# Altium PCB LimePSB-RPCM_1v4.PcbDoc (part 4 of 12)
Units mm, origin at the board's own origin, x right, y up, seen from the top; angles counter-clockwise.
Board outline 170 x 110 mm, 6 copper layers (Top, L2, L3, L4, L5, Bottom), stack 1.583 mm thick; 1007 components, 587 nets, 4215 pads, 1928 vias.
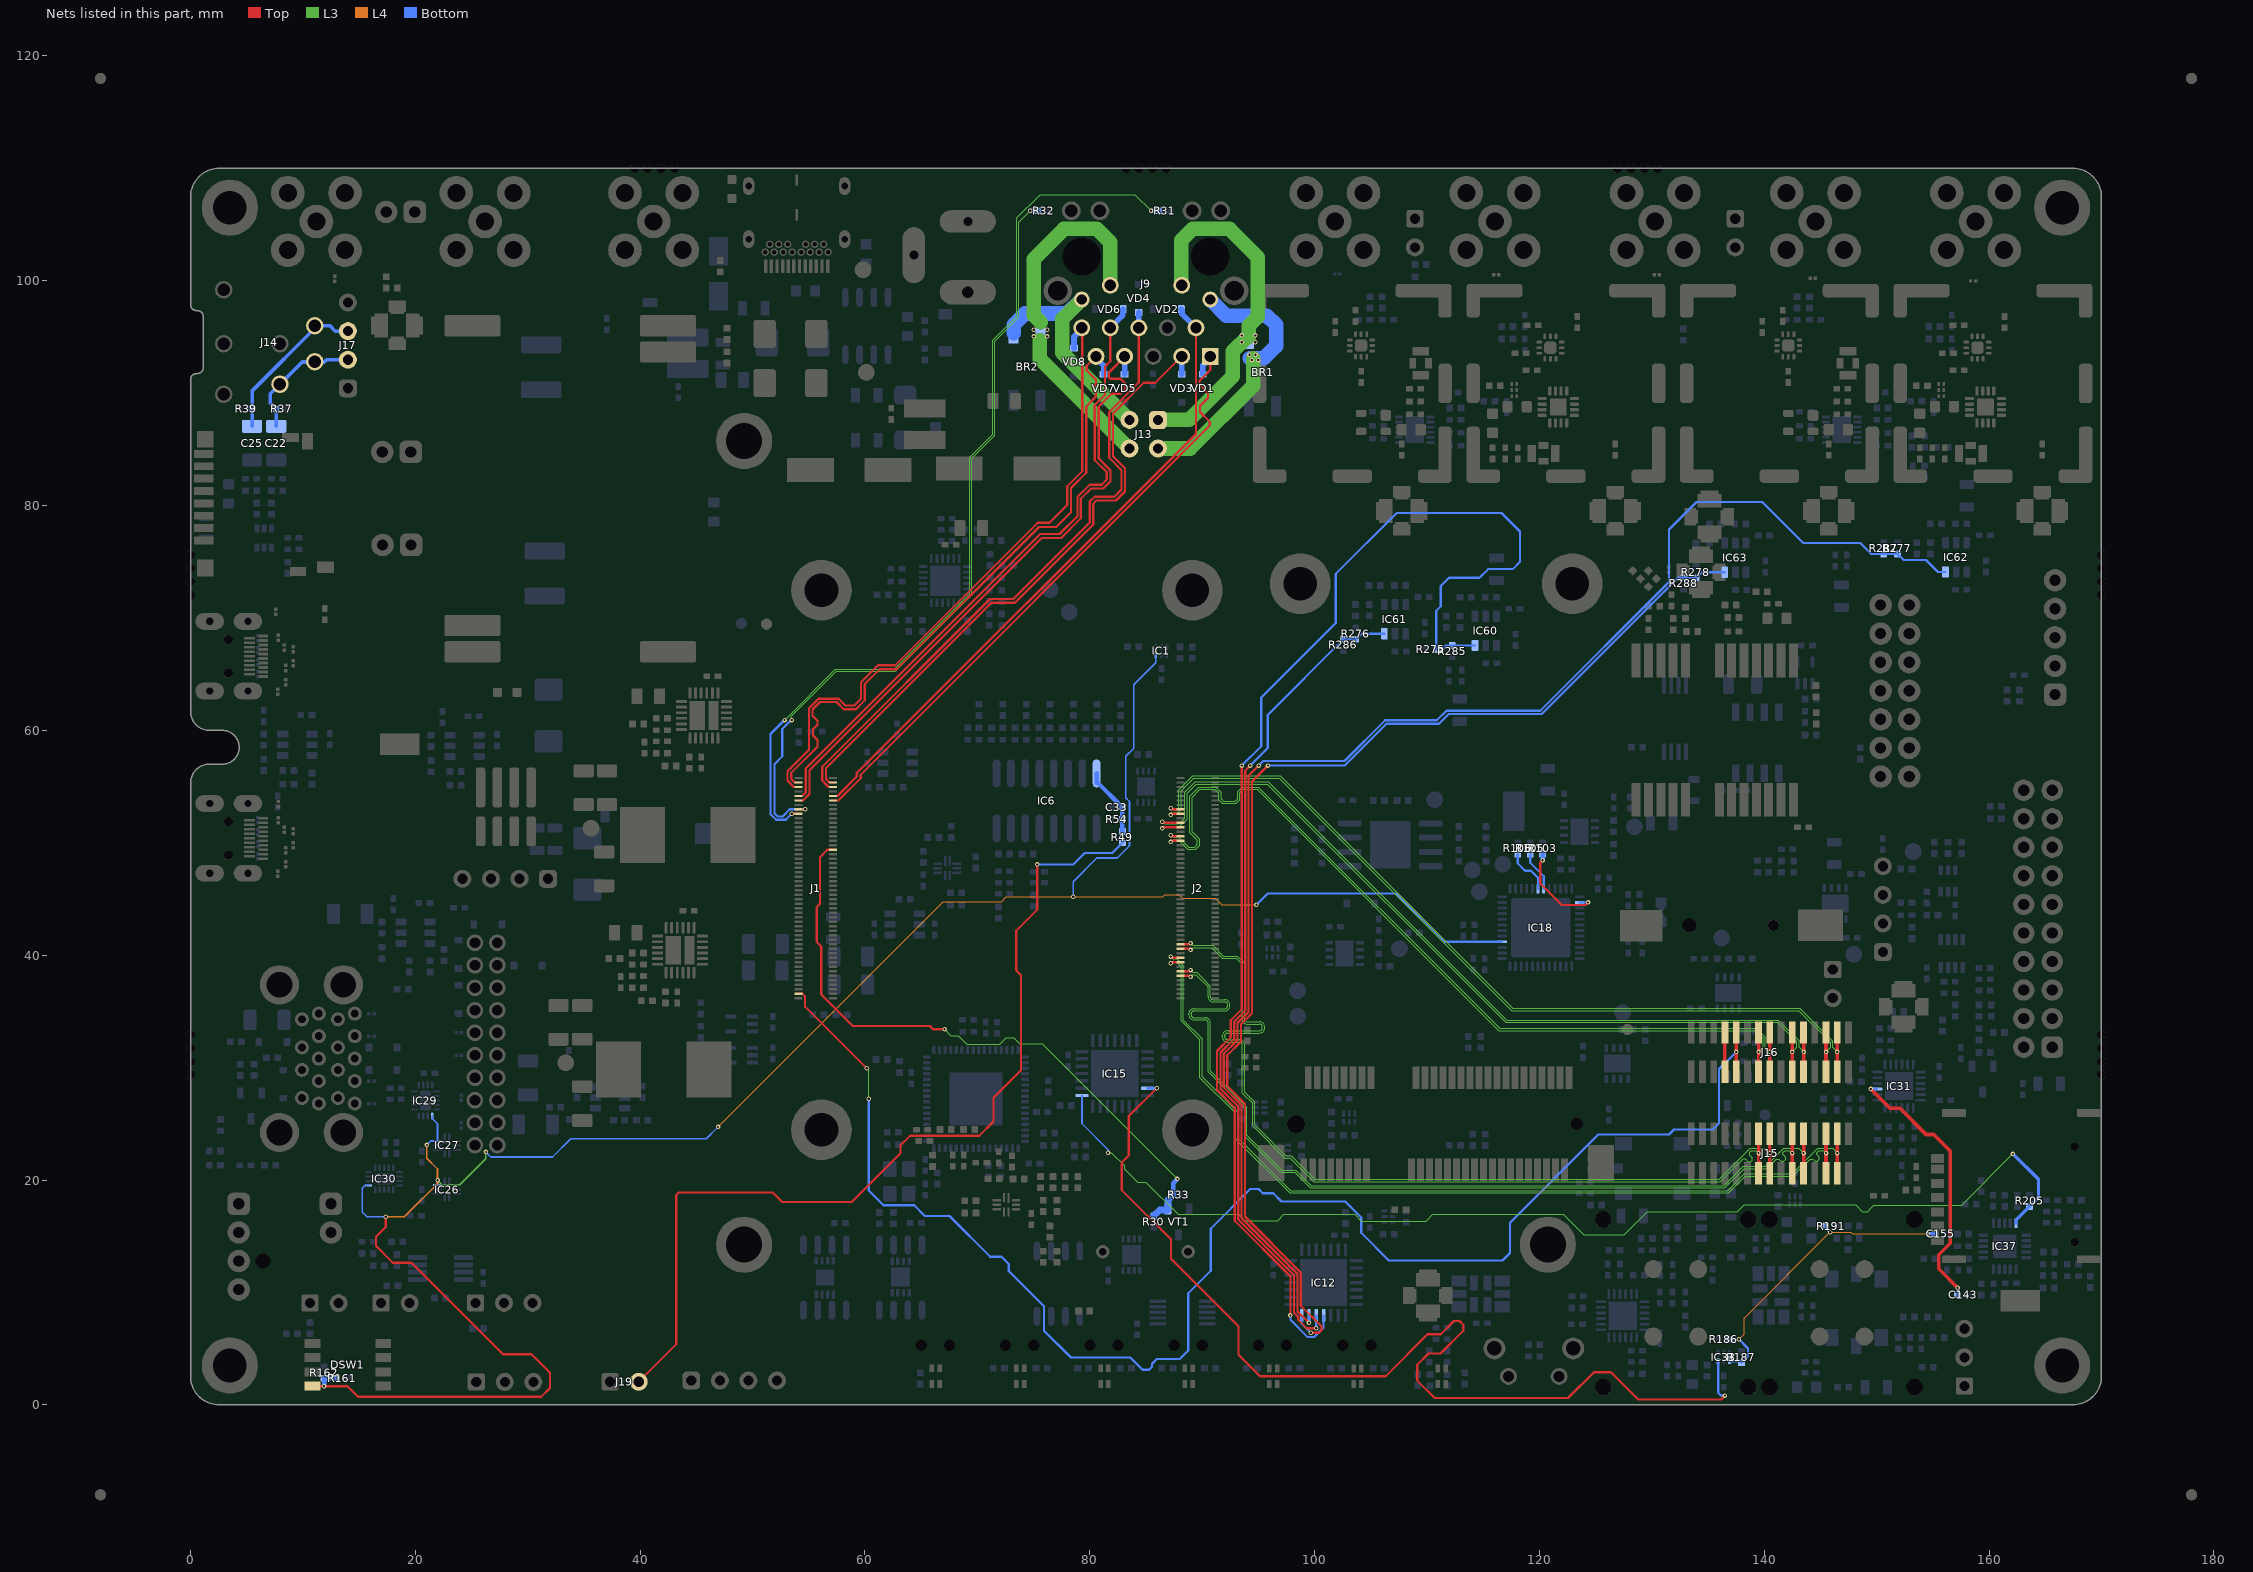
[diagram p8: the nets of this part, all layers, seen from the top]

## Part data (continued)
IC74: library part AG5712-LPB_PoE_PD_module, Manufacturer=Silvertel, Supplier Part Number 1=5061-AG5712-LPB-ND, Manufacturer Part Number 1=AG5712-LPB, Part Description="Isolated PoE Module DC DC Converter 1 Output 12V 2.5A 40V - 57V Input", Pricing 1="1=16,85, 10=16,34, 25=16,1, 50=15,5, 72=14,91, 144=14,81007, 288=14,44, 504=13,94004, 1008=12,30009 (USD)", RoHS=No, Stock 1=284, Supplier 1=Digikey
IC75: library part IRF9358TRPBF_DUAL_NMOS, Case/Package=SOIC, Continuous Drain Current (ID)=9.2A, Drain to Source Breakdown Voltage=-30V, Drain to Source Resistance=23.8mR, Drain to Source Voltage (Vdss)=30V, Gate to Source Voltage (Vgs)=20V, Input Capacitance=1.74nF, Manufacturer="International Rectifier", Max Operating Temperature=150°C, Max Power Dissipation=2W, Min Operating Temperature=-55°C, Package Quantity=1, Supplier Part Number 1=IRF9358TRPBFDKR-ND, ComponentLink1Description=https://datasheet.ciiva.com/7798/irf9358pbf-7798959.pdf?src-supplier=Element14, ComponentLink1URL=https://datasheet.ciiva.com/7798/irf9358pbf-7798959.pdf?src-supplier=Element14, ComponentLink2Description=https://datasheet.ciiva.com/929/irf9358pbf-929243.pdf?src-supplier=Digi-Key, ComponentLink2URL=https://datasheet.ciiva.com/929/irf9358pbf-929243.pdf?src-supplier=Digi-Key, ComponentLink3Description=https://datasheet.ciiva.com/929/irf9358pbf-929244.pdf?src-supplier=Digi-Key, ComponentLink3URL=https://datasheet.ciiva.com/929/irf9358pbf-929244.pdf?src-supplier=Digi-Key, ComponentLink4Description=https://datasheet.ciiva.com/929/irf9358pbf-929245.pdf?src-supplier=Digi-Key, ComponentLink4URL=https://datasheet.ciiva.com/929/irf9358pbf-929245.pdf?src-supplier=Digi-Key, Element Configuration=Dual, Fall Time=69ns, Height=1.5mm, Length=5mm, Manufacturer Part Number 1=IRF9358TRPBF, Mount="Surface Mount", Nominal Vgs=-1.8V, Number of Pins=8, Packaging="Tape and Reel", Part Description="Mosfet Array 2 P-Channel (Dual) 30V 9.2A 2W Surface Mount 8-SO", Power Dissipation=2W, Radiation Hardening=No, Rds On Max=16.3mR, REACH SVHC="No SVHC", Rise Time=7.2ns, RoHS=Yes, Stock 1=0, Supplier 1=Digi-Key, Turn-Off Delay Time=146ns, Turn-On Delay Time=5.7ns, Width=4mm
IC76: library part USB_POWER_DISTR_CYPD3177-24LQXQT, Manufacturer=Cypress, Supplier Part Number 1=428-CYPD3177-24LQXQTCT-ND, Manufacturer Part Number 1=CYPD3177-24LQXQT, Part Description=428-CYPD3177-24LQXQTCT-ND, Pricing 1="1=2,31000, 10=2,07900, 25=1,96080, 100=1,67080, 250=1,56880, 500=1,37270, 1000=1,13738 (USD)", RoHS=No, Stock 1=19489, Supplier 1=Digi-Key
J1: library part cm4_misc_GPIO, Manufacturer="Amphenol ICC / FCI", Manufacturer Part Number 1=10164227-1001A1RLF, Supplier Part Number 1=649-01642271001A1RLF, ComponentLink1Description=https://datasheet.ciiva.com/13559/ed-df40-20140305-13559540.pdf?src-supplier=Mouser, ComponentLink1URL=https://datasheet.ciiva.com/13559/ed-df40-20140305-13559540.pdf?src-supplier=Mouser, ComponentLink2Description=https://datasheet.ciiva.com/18562/ed-df40-20140305-18562462.pdf?src-supplier=Digi-Key, ComponentLink2URL=https://datasheet.ciiva.com/18562/ed-df40-20140305-18562462.pdf?src-supplier=Digi-Key, ComponentLink3Description=https://datasheet.ciiva.com/26948/getdatasheetpartid-441624-26948933.pdf?src-supplier=Verical, ComponentLink3URL=https://datasheet.ciiva.com/26948/getdatasheetpartid-441624-26948933.pdf?src-supplier=Verical, ComponentLink4Description=https://datasheet.ciiva.com/46408/1824826-46408894.pdf?src-supplier=Element14, ComponentLink4URL=https://datasheet.ciiva.com/46408/1824826-46408894.pdf?src-supplier=Element14, Part Description="100 Position Connector Receptacle, Center Strip Contacts Surface Mount Gold", Pricing 1="1=1,67, 10=1,37, 50=1,37, 100=1,18, 1000=0,92, 10000=0,804 (USD)", RoHS=No, Stock 1=2838, Supplier 1=Mouser
J2: library part cm4_high_speed, Manufacturer="Amphenol ICC / FCI", Manufacturer Part Number 1=10164227-1001A1RLF, Supplier Part Number 1=649-01642271001A1RLF, ComponentLink1Description=https://datasheet.ciiva.com/13559/ed-df40-20140305-13559540.pdf?src-supplier=Mouser, ComponentLink1URL=https://datasheet.ciiva.com/13559/ed-df40-20140305-13559540.pdf?src-supplier=Mouser, ComponentLink2Description=https://datasheet.ciiva.com/18562/ed-df40-20140305-18562462.pdf?src-supplier=Digi-Key, ComponentLink2URL=https://datasheet.ciiva.com/18562/ed-df40-20140305-18562462.pdf?src-supplier=Digi-Key, ComponentLink3Description=https://datasheet.ciiva.com/26948/getdatasheetpartid-441624-26948933.pdf?src-supplier=Verical, ComponentLink3URL=https://datasheet.ciiva.com/26948/getdatasheetpartid-441624-26948933.pdf?src-supplier=Verical, ComponentLink4Description=https://datasheet.ciiva.com/46408/1824826-46408894.pdf?src-supplier=Element14, ComponentLink4URL=https://datasheet.ciiva.com/46408/1824826-46408894.pdf?src-supplier=Element14, Part Description="100 Position Connector Receptacle, Center Strip Contacts Surface Mount Gold", Pricing 1="1=1,67, 10=1,37, 50=1,37, 100=1,18, 1000=0,92, 10000=0,804 (USD)", RoHS=No, Stock 1=2838, Supplier 1=Mouser
J3: library part MINI_PCIE_FEMALE, "CONN PCI EXP MINI FEMALE 52POS", Manufacturer="JAE Electronics", Manufacturer Part Number 1=MM60-52B1-G1-R850, Supplier Part Number 1=670-2516-1-ND, Additional Info="Additionally a required number of thermal pads (P/N 40016010) per batch of boards, rounding this number to whole pad pieces, have to be ordered (included in BOM Additional Info column). The thermal pad with a size of 100 mm x 100 mm is to be cut in 20 mm x 20 mm pieces (resulting in a possible total of 25 pcs. from a single whole pad). A single assembled PCB requires 1 pcs. of 20 mm x 20 mm pad per 1 board. Calculate the number of whole thermal pad (P/N 40016010) pieces based on the assembled board batch size, rounding this number to whole pad pieces. Example: 5 pcs. PCB batch requires 1 pcs. of thermal pad (P/N 40016010) with leftovers. 300 pcs. PCB batch requires 12 pcs. of thermal pads (P/N 40016010) without leftovers.", ComponentLink1Description=https://www.mouser.com/ds/2/418/NG_DS_8-1773459-7_EXPRESS_MINI_CARD_QRG_0816-907003.pdf?src-supplier=Mouser, ComponentLink1URL=https://www.mouser.com/ds/2/418/NG_DS_8-1773459-7_EXPRESS_MINI_CARD_QRG_0816-907003.pdf?src-supplier=Mouser, ComponentLink2Description=http://www.farnell.com/datasheets/2645681.pdf?src-supplier=Newark, ComponentLink2URL=http://www.farnell.com/datasheets/2645681.pdf?src-supplier=Newark, ComponentLink3Description=https://www.te.com/commerce/DocumentDelivery/DDEController?Action=srchrtrv&DocNm=108-99102&DocType=SS&DocLang=EN&src-supplier=Digi-Key, ComponentLink3URL=https://www.te.com/commerce/DocumentDelivery/DDEController?Action=srchrtrv&DocNm=108-99102&DocType=SS&DocLang=EN&src-supplier=Digi-Key, ComponentLink4Description=https://www.te.com/commerce/DocumentDelivery/DDEController?Action=srchrtrv&amp;DocNm=108-99102&amp;DocType=SS&amp;DocLang=EN&src-supplier=Digi-Key, ComponentLink4URL=https://www.te.com/commerce/DocumentDelivery/DDEController?Action=srchrtrv&amp;DocNm=108-99102&amp;DocType=SS&amp;DocLang=EN&src-supplier=Digi-Key, ComponentLink5Description=http://www.te.com/commerce/DocumentDelivery/DDEController?Action=showdoc&DocId=Customer+Drawing%7F2041262%7FC%7Fpdf%7FEnglish%7FENG_CD_2041262_C.pdf&src-supplier=Avnet, ComponentLink5URL=http://www.te.com/commerce/DocumentDelivery/DDEController?Action=showdoc&DocId=Customer+Drawing%7F2041262%7FC%7Fpdf%7FEnglish%7FENG_CD_2041262_C.pdf&src-supplier=Avnet, ComponentLink6Description=http://www.te.com/commerce/DocumentDelivery/DDEController?Action=srchrtrv&DocNm=2041262&DocType=Customer+Drawing&DocLang=English&src-supplier=Digi-Key, ComponentLink6URL=http://www.te.com/commerce/DocumentDelivery/DDEController?Action=srchrtrv&DocNm=2041262&DocType=Customer+Drawing&DocLang=English&src-supplier=Digi-Key, ComponentLink7Description=https://datasheet.ciiva.com/417/sj110634-417626.pdf?src-supplier=Digi-Key, ComponentLink7URL=https://datasheet.ciiva.com/417/sj110634-417626.pdf?src-supplier=Digi-Key, ComponentLink8Description=https://datasheet.ciiva.com/417/sj110634-417627.pdf?src-supplier=Digi-Key, ComponentLink8URL=https://datasheet.ciiva.com/417/sj110634-417627.pdf?src-supplier=Digi-Key, ComponentLink9Description=https://datasheet.ciiva.com/417/sj110634-417628.pdf?src-supplier=Digi-Key, ComponentLink9URL=https://datasheet.ciiva.com/417/sj110634-417628.pdf?src-supplier=Digi-Key, ComponentLink10Description=https://datasheet.ciiva.com/14644/70040279-14644764.pdf?src-supplier=Allied+Electronics, ComponentLink10URL=https://datasheet.ciiva.com/14644/70040279-14644764.pdf?src-supplier=Allied+Electronics, Part Description="52 Position Female Connector PCI Express Mini Card Gold 0.031\" (0.80mm)", Pricing 1="1=1,45000, 10=1,26500, 25=1,21120, 50=1,18440, 100=1,13060, 250=1,02292 (USD)", RoHS=Yes, Stock 1=30104, Supplier 1=Digi-Key
J4: library part nano_SIM_SIM8066-6-1-14-01-A, Manufacturer="Global Connector Technology", Manufacturer Part Number 1=SIM8066-6-1-14-01-A, Supplier Part Number 1=3772948, Part Description="7 (6 + 1) Position Card Connector NANO SIM Surface Mount, Right Angle Gold", Pricing 1="1500=1,00000, 7500=0,93000, 15000=0,86600, 30000=0,81900 (EUR)", RoHS=No, Stock 1=1500, Supplier 1=Farnell
J5 J6 J28: library part Header3P, "Header, 3-pin", Color=Black, Manufacturer="Wurth Electronics", Manufacturer Part Number=61300311121, Supplier Part Number 1=732-5316-ND, ComponentLink1Description=http://www.farnell.com/cad/1737268.pdf?src-supplier=Element14, ComponentLink1URL=http://www.farnell.com/cad/1737268.pdf?src-supplier=Element14, ComponentLink2Description=https://katalog.we-online.de/em/datasheet/6130xx11121.pdf?src-supplier=Digi-Key, ComponentLink2URL=https://katalog.we-online.de/em/datasheet/6130xx11121.pdf?src-supplier=Digi-Key, Connector Type="Male Pin", Contact Material=Copper, Contact Mating Length=0.236inch, Contact Plating=Gold, Gender=Male, Lead Free="Lead Free", Manufacturer 1="Wurth Electronics", Manufacturer Part Number 1=61300311121, Mount="Through Hole", Number of Contacts=3, Number of Positions=3, Number of Rows=1, Packaging=Bulk, Part Description="Connector Header Through Hole 3 position 0.100\" (2.54mm)", Pitch=0.1inch, Pricing 1="1=0,13000, 10=0,11300, 25=0,09400, 50=0,07900, 100=0,07100, 1000=0,06600 (USD)", REACH SVHC=Unknown, RoHS=Yes, RoHS Compliant=Yes, Stock 1=95926, Supplier 1=Digi-Key, Termination=Solder
J7: library part MICRO_SD_114-00841-68, Manufacturer="Amphenol Commercial Products", Manufacturer Part Number 1=114-00841-68, Supplier Part Number 1=114-00841-68-1-ND, Card Type="Secure Digital - microSD™", Category="Connectors, Interconnects", ComponentLink1Description=https://www.amphenolcanada.com/ProductSearch/drawings/AC/1140084168.pdf, ComponentLink1URL=https://www.amphenolcanada.com/ProductSearch/drawings/AC/1140084168.pdf, Connector Type=Connector, Contact Finish=Gold, Contact Finish Thickness="15.0µin (0.38µm)", Ejector Side=-, Features=Switch, Height Above Board="0.061\" (1.55mm)", Insertion, Removal Method="Push In, Pull Out", Mounting Feature="Normal, Standard - Top", Mounting Type="Surface Mount, Right Angle", Number of Positions="10 (8 + 2)", Packaging="Cut Tape (CT)", Part Description="10 (8 + 2) Position Card Connector Secure Digital - microSD™ Surface Mount, Right Angle Gold", Part Status=Active, Pricing 1="1=1.5, 10=1.358, 25=1.2752, 50=1.2196, 100=1.1642, 250=1.05336, 500=0.9702 (USD)", RoHS="RoHS Compliant", Stock 1=5866, Supplier 1=Digi-Key
J8: library part "Header 5X1 LOCK", Manufacturer=Molex, Manufacturer Part Number=0022112052, Supplier Part Number 1=WM2703-ND, ComponentLink1Description=https://www.molex.com/pdm_docs/sd/022112052_sd.pdf?src-supplier=Digi-Key, ComponentLink1URL=https://www.molex.com/pdm_docs/sd/022112052_sd.pdf?src-supplier=Digi-Key, Manufacturer 1=Molex, Manufacturer Part Number 1=0022112052, Part Description="Connector Header Through Hole 5 position 0.100\" (2.54mm)", Pricing 1="1=1,01000, 10=0,83600, 100=0,69690, 1000=0,55752, 5000=0,48783, 10000=0,46344 (USD)", RoHS=Yes, Stock 1=17764, Supplier 1=Digi-Key
J9: library part RJ45_ETHERNET_MAG_A70-112-331N126, "MagJack A70-112-331N126 or LINK-PP LPJG0926HENL", Manufacturer=Link-PP, Manufacturer Part Number 1=LPJG0926HENL, Part Description="A70-112-331N126 Tab Down Ethernet Magnetic RJ45 Connector LPJG0926HENL With POE +", Supplier 1=Link-PP, Supplier Part Number 1=LPJG0926HENL
J10: "Header, 10-Pin, Dual row", Color=Black, Manufacturer="On-Shore Technology", Manufacturer Part Number 1=302-S201, Supplier Part Number 1=ED10524-ND, ComponentLink1Description=https://datasheet.ciiva.com/712/901301108-sd-712105.pdf?src-supplier=Digi-Key, ComponentLink1URL=https://datasheet.ciiva.com/712/901301108-sd-712105.pdf?src-supplier=Digi-Key, ComponentLink2Description=https://datasheet.ciiva.com/5153/0901301220-pcb-headers-151695-5153154.pdf?src-supplier=Mouser, ComponentLink2URL=https://datasheet.ciiva.com/5153/0901301220-pcb-headers-151695-5153154.pdf?src-supplier=Mouser, ComponentLink3Description=https://datasheet.ciiva.com/11747/0900766b8002f27a-11747298.pdf?src-supplier=RSComponents, ComponentLink3URL=https://datasheet.ciiva.com/11747/0900766b8002f27a-11747298.pdf?src-supplier=RSComponents, ComponentLink4Description=https://datasheet.ciiva.com/30106/205030901301220-pcb-headers-30106975.pdf?src-supplier=Onlinecomponents.com, ComponentLink4URL=https://datasheet.ciiva.com/30106/205030901301220-pcb-headers-30106975.pdf?src-supplier=Onlinecomponents.com, ComponentLink5Description=https://datasheet.ciiva.com/10076/0901301220-pcb-headers-10076926.pdf?src-supplier=Avnet, ComponentLink5URL=https://datasheet.ciiva.com/10076/0901301220-pcb-headers-10076926.pdf?src-supplier=Avnet, ComponentLink6Description=https://datasheet.ciiva.com/742/302-sxxx-742190.pdf?src-supplier=Digi-Key, ComponentLink6URL=https://datasheet.ciiva.com/742/302-sxxx-742190.pdf?src-supplier=Digi-Key, Connector Type="Male Pin", Contact Plating=Gold, Contact Type="Male Pin", Mount="Through Hole", Number of Positions=20, Number of Rows=2, Packaging=Tray, Part Description="Connector Header Through Hole 20 position 0.100\" (2.54mm)", Pitch=0.1inch, Pricing 1="1=0,48000, 10=0,40700, 160=0,31675, 480=0,27148, 960=0,22624, 4960=0,19392, 10080=0,18099 (USD)", RoHS=Yes, RoHS Compliant=Yes, Row Spacing=0.1inch, Series=302, Stock 1=302635, Supplier 1=Digi-Key, Termination=Solder
J11 J17 J32 J54: library part Header4P, "Header, 4-pin", Current Rating=3A, Insulation Color=Black, Manufacturer="Wurth Electronics Inc.", Manufacturer Part Number 1=61300411121, Material Flammability Rating="UL94 V-0", Operating Temperature="-40°C ~ 125°C", Supplier Part Number 1=732-5317-ND, Voltage Rating=250V, Applications=-, Category="Connectors, Interconnects", ComponentLink1Description=http://katalog.we-online.de/em/datasheet/6130xx11121.pdf, ComponentLink1URL=http://katalog.we-online.de/em/datasheet/6130xx11121.pdf, Connector Type=Header, Contact Finish - Mating=Gold, Contact Finish - Post=-, Contact Finish Thickness - Mating=-, Contact Finish Thickness - Post=-, Contact Length - Mating="0.236\" (6.00mm)", Contact Length - Post="0.118\" (3.00mm)", Contact Material="Copper Alloy", Contact Shape=Square, Contact Type="Male Pin", Fastening Type=Push-Pull, Features=-, Ingress Protection=-, Insulation Height="0.100\" (2.54mm)", Insulation Material="Polybutylene Terephthalate (PBT)", Mated Stacking Heights=-, Mounting Type="Through Hole", Number of Positions=4, Number of Positions Loaded=All, Number of Rows=1, Overall Contact Length="0.454\" (11.54mm)", Packaging=Bulk, Part Description="4 Positions Header Connector 0.100\" (2.54mm) Through Hole Gold", Part Status=Active, Pitch - Mating="0.100\" (2.54mm)", Pricing 1="1=0.18, 10=0.153, 25=0.1272, 50=0.106, 100=0.096, 1000=0.088 (USD)", RoHS="RoHS Compliant", Row Spacing - Mating=-, Shrouding=Unshrouded, Stock 1=25204, Style="Board to Board or Cable", Supplier 1=Digi-Key, Termination=Solder
J12: "Header, 7-Pin, Dual row", Manufacturer="Adam Equipment", Manufacturer Part Number=PH2-14-UA, Supplier Part Number 1=2057-PH2-14-UA-ND, ComponentLink1Description=https://datasheet.ciiva.com/16397/ph2-14-ua-16397187.pdf?src-supplier=Future+Electronics, ComponentLink1URL=https://datasheet.ciiva.com/16397/ph2-14-ua-16397187.pdf?src-supplier=Future+Electronics, Lead Free="Lead Free", Manufacturer 1="Adam Equipment", Manufacturer Part Number 1=PH2-14-UA, Number of Positions=14, Part Description="Connector Header Through Hole 14 position 0.100\" (2.54mm)", Pitch=2.54mm, Pricing 1="1=0,24000, 10=0,19900, 100=0,15340, 500=0,12976, 1000=0,10617, 5000=0,09437, 10000=0,08553 (USD)", RoHS=Yes, Stock 1=11861, Supplier 1=Digi-Key, Termination=Solder
J13: "Header, 2-Pin, Dual row", Manufacturer="Adam Equipment", Manufacturer Part Number=PH2-04-UA, Supplier Part Number 1=2057-PH2-04-UA-ND, ComponentLink1Description=https://datasheet.ciiva.com/16476/catpg250-254-16476106.pdf?src-supplier=Future+Electronics, ComponentLink1URL=https://datasheet.ciiva.com/16476/catpg250-254-16476106.pdf?src-supplier=Future+Electronics, Lead Free="Lead Free", Manufacturer 1="Adam Equipment", Manufacturer Part Number 1=PH2-04-UA, Number of Positions=4, Packaging=Box, Part Description="Connector Header Through Hole 4 position 0.100\" (2.54mm)", Pitch=2.54mm, Pricing 1="1=0,10000, 10=0,06900, 100=0,05120, 500=0,04234, 1000=0,03704, 5000=0,03175, 10000=0,03087 (USD)", RoHS=Yes, Stock 1=10153, Supplier 1=Digi-Key, Termination=Solder
J14: library part AUDIO_JACK_3mm5_SJ-4351X, Body Color=Black, Current Rating=1A, Insulation Color=-, Manufacturer="CUI Inc.", Manufacturer Part Number 1=SJ-43515TS, Operating Temperature="-20°C ~ 85°C", Supplier Part Number 1=CP-43515TS-ND, Voltage - Rated=12VDC, Actual Diameter="0.142\" (3.60mm)", Body Material=-, Cable Opening=-, Category="Connectors, Interconnects", ComponentLink1Description=http://www.cui.com/product/resource/digikeypdf/sj-4351x.pdf, ComponentLink1URL=http://www.cui.com/product/resource/digikeypdf/sj-4351x.pdf, Connector Type="Phone Jack", Contact Material="Brass, Copper Alloy, Phosphor Bronze", Contact Material - Plating=Gold, Features=-, Gender=Female, Housing Material="Polyamide (PA66), Nylon 6/6", Includes=-, Industry Recognized Mating Diameter="3.50mm (0.141\", 1/8\", Mini Plug) - Headphone", Internal Switch(s)="Single Switch", Mating Length/Depth="0.551\" (14.00mm)", Mounting Type="Through Hole, Right Angle", Number of Positions/Contacts="4 Conductors, 5 Contacts", Packaging=Bulk, Panel Hole Size=-, Part Description="CONN JACK 4COND 3.5MM R/A", Part Status=Active, Pricing 1="1=1.04, 10=0.91, 25=0.8568, 50=0.8212, 100=0.7854, 250=0.714, 500=0.6426, 1000=0.5712, 2500=0.51765 (USD)", RoHS="RoHS Compliant", Shielding=Unshielded, Signal Lines=Multiple, Stock 1=62424, Supplier 1=Digi-Key, Termination=Solder, Thread Size=-
J15 J16: library part FPC_CONNECTOR_15pin_1-1734248-5, Contact Current Rating=1A, Flammability Rating="UL94 V-0", Housing Colour=Black, Manufacturer="TE Connectivity", Manufacturer Part Number 1=1-1734248-5, Max Operating Temperature=185°C, Min Operating Temperature=-4°C, Package Quantity=1000, Supplier Part Number 1=A101418DKR-ND, Voltage Rating=125V, Circuit Application=Signal, Connector System=Flex-to-Board, Connector Type=Connector,Receptacle,Socket, Contact Material=Bronze, Contact Plating=Gold, Current Rating=1A, Depth=4.6mm, ELV=Compliant, Gender=Receptacle, Height=7.7mm, Housing Material=Thermoplastic, Length=22.4mm, Mating Alignment="Yes (With)", Mount="Surface Mount", Number of Contacts=15, Number of Positions=15, Number of Rows=1, Orientation=Straight, Packaging="Tape and Reel", Part Description="15 Position FPC Connector Contacts, Vertical, 1 Sided 0.039\" (1.00mm) Surface Mount", PCB Mount Alignment="No (Without)", PCB Mount Retention=With, Pitch=1mm, Pricing 1="1=1.03, 10=0.909, 25=0.8556, 50=0.82, 100=0.7843, 250=0.713, 500=0.6417 (USD)", REACH SVHC=Unknown, Sealable="No (Without)", Shielding=Unshielded, Shrouded="Yes (With)", Stock 1=11808, Supplier 1=Digi-Key, Termination=SMD/SMT, Width=4.6mm, Wire/Cable Type="Flat Flex"
J18 J19 J23 J30 J40 J55: library part Jumper, Color=Black, Manufacturer=3M, Manufacturer Part Number 1=961102-6404-AR, Supplier Part Number 1=3M9447-ND, Category="Connectors, Interconnects", Connector Type="Header, Unshrouded", Contact Finish=Gold, Contact Type="Male Pin", Mounting Type="Through Hole", Part Description="2 Positions Header, Unshrouded Connector 0.100\" (2.54mm) Through Hole Gold", Supplier 1=Digi-Key
J20 J27 J51 J52: library part "Header 2X1 LOCK", Manufacturer=Molex, Manufacturer Part Number=22-11-2026, Supplier Part Number 1=WM19460-ND, ComponentLink1Description=https://datasheet.ciiva.com/5156/022045042-sd-206842-5156139.pdf?src-supplier=Mouser, ComponentLink1URL=https://datasheet.ciiva.com/5156/022045042-sd-206842-5156139.pdf?src-supplier=Mouser, ComponentLink2Description=https://datasheet.ciiva.com/30212/022232051-sd-30212109.pdf?src-supplier=Onlinecomponents.com, ComponentLink2URL=https://datasheet.ciiva.com/30212/022232051-sd-30212109.pdf?src-supplier=Onlinecomponents.com, Manufacturer 1=Molex, Manufacturer Part Number 1=22-11-2026, Part Description="Connector Header Through Hole 2 position 0.100\" (2.54mm)", RoHS=Yes, Stock 1=0, Supplier 1=Digi-Key
J21 J24 J36 J38 J42 J43 J46 J47: library part RF_IF_connector, "CONN SMA JACK STR 50OHM EDGE MNT", Manufacturer=Linx, Manufacturer Part Number 1=CONSMA002-L-G, Supplier Part Number 1=CONSMA002-L-G-ND, Part Description="SMA Connector Receptacle, Female Socket 50Ohm Panel Mount, Through Hole, Right Angle Solder", Pricing 1="1=4.08, 25=3.67, 100=3.32, 250=3.25, 500=3, 1000=2.80001, 2000=2.5875 (USD)", Stock 1=815, Supplier 1=Digi-Key
J22 J25 J37 J39 J41 J44 J45 J48 J49: library part RF_IF_connector, "CONN UMC RCPT STR 50 OHM SMD", Dielectric Material="Liquid Crystal Polymer (LCP)", Frequency - Max=6GHz, Housing Color=Silver, Manufacturer="Molex, LLC", Manufacturer Part Number 1=0734120110, Operating Temperature="-40°C ~ 90°C", Supplier Part Number 1=WM5587CT-ND, Voltage Rating=60V, Body Finish=Nickel, Body Material="Phosphor Bronze", Cable Group=-, Category="Connectors, Interconnects", Center Contact Material=Brass, Center Contact Plating=Gold, Connector Style="Ultra Miniature Coaxial", Connector Type="Jack, Male Pin", Contact Termination=Solder, Fastening Type=Snap-On, Features=-, Impedance="50 Ohm", Ingress Protection=-, Mounting Type="Surface Mount", Packaging="Cut Tape (CT)", Part Description="CONN UMC RCPT STR 50 OHM SMD", RoHS="RoHS Compliant", Shield Termination=Solder, Supplier 1=Digi-Key
J26: library part "Header 4X1 LOCK", Manufacturer=Molex, Manufacturer Part Number 1=47053-1000, Supplier Part Number 1=WM4330-ND, ComponentLink1Description=https://datasheet.ciiva.com/22683/1701278-22683428.pdf?src-supplier=Element14, ComponentLink1URL=https://datasheet.ciiva.com/22683/1701278-22683428.pdf?src-supplier=Element14, ComponentLink2Description=https://datasheet.ciiva.com/30226/191140470531000-pcb-headers-30226282.pdf?src-supplier=Onlinecomponents.com, ComponentLink2URL=https://datasheet.ciiva.com/30226/191140470531000-pcb-headers-30226282.pdf?src-supplier=Onlinecomponents.com, ComponentLink3Description=https://datasheet.ciiva.com/5153/0470531000-pcb-headers-146351-5153461.pdf?src-supplier=Mouser, ComponentLink3URL=https://datasheet.ciiva.com/5153/0470531000-pcb-headers-146351-5153461.pdf?src-supplier=Mouser, ComponentLink4Description=https://datasheet.ciiva.com/10090/0470531000-pcb-headers-10090525.pdf?src-supplier=Avnet, ComponentLink4URL=https://datasheet.ciiva.com/10090/0470531000-pcb-headers-10090525.pdf?src-supplier=Avnet, Manufacturer 1=Molex, Part Description="Connector Header Through Hole 4 position 0.100\" (2.54mm)", Pricing 1="1=0,56000, 10=0,47100, 100=0,36650, 1000=0,28797, 5000=0,25307, 10000=0,23561 (USD)", RoHS=Yes, Stock 1=76671, Supplier 1=Digi-Key
J29: library part DUAL_USB-C_632723100011, Manufacturer="Wurth Electronics", Manufacturer Part Number 1=632723100011, Supplier Part Number 1=732-9617-1-ND, ComponentLink1Description=http://www.alliedelec.com/m/d/e03b7b5d71e2d3e369c52d5c8eaca2b6.pdf?src-supplier=Allied+Electronics, ComponentLink1URL=http://www.alliedelec.com/m/d/e03b7b5d71e2d3e369c52d5c8eaca2b6.pdf?src-supplier=Allied+Electronics, ComponentLink2Description=http://www.jae.com/z-en/pdf_download_exec.cfm?param=SJ115995.pdf&src-supplier=Digi-Key, ComponentLink2URL=http://www.jae.com/z-en/pdf_download_exec.cfm?param=SJ115995.pdf&src-supplier=Digi-Key, ComponentLink3Description=https://www.mouser.com/ds/2/445/632723x00011-782157.pdf?src-supplier=Mouser, ComponentLink3URL=https://www.mouser.com/ds/2/445/632723x00011-782157.pdf?src-supplier=Mouser, ComponentLink4Description=https://katalog.we-online.de/em/datasheet/632723x00011.pdf?src-supplier=Digi-Key, ComponentLink4URL=https://katalog.we-online.de/em/datasheet/632723x00011.pdf?src-supplier=Digi-Key, Connector Type=USB, Gender=Receptacle, Mount="Surface Mount,Through Hole", Number of Contacts=24, Packaging="Tape and Reel", Part Description="USB - C (Type - C) USB 3.1 (USB 3.1 Gen 2, Superspeed+) Receptacle Connector 24 Position Surface Mount, Right Angle; Through Hole", Pricing 1="1=4,10000, 10=3,80000, 50=3,20000, 100=2,95000 (USD)", RoHS=Yes, Stock 1=1127, Supplier 1=Digi-Key
J31: "Header, 10-Pin, Dual row", Manufacturer=Amphenol, Manufacturer Part Number 1=G823J201240BHR, Supplier Part Number 1=664-G823J201240BHR-ND, Part Description="Connector Header Through Hole 19 position 0.079\" (2.00mm)", Pricing 1="1=2,25, 10=1,83, 180=1,41583, 540=1,28443, 1080=1,20792, 5040=1,14463 (USD)", RoHS=No, Stock 1=748, Supplier 1=Digikey
J33: library part Dual_USB_48406-0003_Molex, Manufacturer=Molex, Manufacturer Part Number 1=0484060003, Supplier Part Number 1=538-48406-0003, ComponentLink1Description=https://datasheet.octopart.com/48406-0003-Molex-datasheet-33003502.pdf?src-supplier=Newark, ComponentLink1URL=https://datasheet.octopart.com/48406-0003-Molex-datasheet-33003502.pdf?src-supplier=Newark, ComponentLink2Description=https://datasheet.octopart.com/48406-0003-Molex-datasheet-101583044.pdf?src-supplier=Farnell, ComponentLink2URL=https://datasheet.octopart.com/48406-0003-Molex-datasheet-101583044.pdf?src-supplier=Farnell, ComponentLink3Description=https://www.molex.com/pdm_docs/sd/484060003_sd.pdf?src-supplier=Digikey, ComponentLink3URL=https://www.molex.com/pdm_docs/sd/484060003_sd.pdf?src-supplier=Digikey, ComponentLink4Description=https://datasheet.octopart.com/484060003-Molex-datasheet-168216735.pdf?src-supplier=TME, ComponentLink4URL=https://datasheet.octopart.com/484060003-Molex-datasheet-168216735.pdf?src-supplier=TME, ComponentLink5Description=https://datasheet.octopart.com/48406-0003-Molex-datasheet-21137617.pdf?src-supplier=Sager+Electronics, ComponentLink5URL=https://datasheet.octopart.com/48406-0003-Molex-datasheet-21137617.pdf?src-supplier=Sager+Electronics, ComponentLink6Description=https://datasheet.octopart.com/48406-0003-Molex-datasheet-154752298.pdf?src-supplier=Master+Electronics, ComponentLink6URL=https://datasheet.octopart.com/48406-0003-Molex-datasheet-154752298.pdf?src-supplier=Master+Electronics, Part Description="USB Connectors USB 3.0 F/A STD RA REC STACKED 15u'", Pricing 1="1=2,69, 10=1,92, 50=1,92, 100=1,82, 1000=1,78, 10000=1,43 (USD)", RoHS=Yes, Stock 1=4086, Supplier 1=Mouser
J34 J35: library part MICRO_HDMI_Wurth_685119248123, "Also compatible with Molex 0467651301 and Amphenol 10118242-001RLF", Manufacturer="Wurth Electronics", Manufacturer Part Number 1=685119248123, Package Quantity=1000, Supplier Part Number 1=1621823, Body Material=Brass, ComponentLink1Description=https://datasheet.ciiva.com/29660/685119248123-29660258.pdf?src-supplier=Digi-Key, ComponentLink1URL=https://datasheet.ciiva.com/29660/685119248123-29660258.pdf?src-supplier=Digi-Key, Connector Type=HDMI, Contact Plating=Gold, Features=Shielded, Gender=Receptacle, Mount="Surface Mount,Horizontal", Number of Contacts=19, Packaging="Tape and Reel", Part Description="HDMI - Micro - Receptacle Connector 19 Position Surface Mount, Right Angle; Through Hole", Pricing 1="1000=1,80500, 5000=1,73500, 10000=1,68900, 15000=1,64400, 20000=1,60100 (USD)", REACH SVHC=Unknown, RoHS=Yes, RoHS Compliant=Yes, Stock 1=1, Supplier 1=RSComponents
J50: "Power Connector, THT, 2.1mm ID, 5.5mm OD", Manufacturer="CUI Devices", Manufacturer Part Number 1=PJ002A, Supplier Part Number 1=CP-002A-ND, ComponentLink1Description=https://www.verical.com/server-webapp/html/getDatasheet?partID=110865, ComponentLink1URL=https://www.verical.com/server-webapp/html/getDatasheet?partID=110865, ComponentLink2Description=http://www.switchcraft.com/Documents/Jack_Schematics.pdf, ComponentLink2URL=http://www.switchcraft.com/Documents/Jack_Schematics.pdf, ComponentLink3Description=https://datasheet.octopart.com/PJ-002A-Same-Sky-datasheet-184403259.pdf?src-supplier=Future+Electronics, ComponentLink3URL=https://datasheet.octopart.com/PJ-002A-Same-Sky-datasheet-184403259.pdf?src-supplier=Future+Electronics, ComponentLink4Description=https://datasheet.octopart.com/PJ-002A-CUI-Devices-datasheet-175925523.pdf?src-supplier=Master+Electronics, ComponentLink4URL=https://datasheet.octopart.com/PJ-002A-CUI-Devices-datasheet-175925523.pdf?src-supplier=Master+Electronics, Part Description="Power Barrel Connector Jack 2.00mm ID (0.079\"), 5.50mm OD (0.217\") Through Hole, Right Angle", Pricing 1="1=0.52, 10=0.442, 25=0.4144, 50=0.3948, 100=0.3758, 400=0.34075, 800=0.32448, 1200=0.31532, 2800=0.29702 (USD)", RoHS=No, Stock 1=22553, Supplier 1=Digikey
J53: library part Header4P, "Header, 4-pin", Manufacturer=Molex, Manufacturer Part Number=0874370443, Supplier Part Number 1=WM7664CT-ND, ComponentLink1Description=http://katalog.we-online.de/em/datasheet/6130xx11121.pdf, ComponentLink1URL=http://katalog.we-online.de/em/datasheet/6130xx11121.pdf, ComponentLink2Description=https://datasheet.ciiva.com/6813/874370443-sd-6813714.pdf?src-supplier=Digi-Key, ComponentLink2URL=https://datasheet.ciiva.com/6813/874370443-sd-6813714.pdf?src-supplier=Digi-Key, ComponentLink3Description=https://datasheet.ciiva.com/3935/197970874370443-pcb-headers-3935892.pdf?src-supplier=Arrow+Electronics, ComponentLink3URL=https://datasheet.ciiva.com/3935/197970874370443-pcb-headers-3935892.pdf?src-supplier=Arrow+Electronics, ComponentLink4Description=https://datasheet.ciiva.com/6813/874370443-sd-6813717.pdf?src-supplier=Digi-Key, ComponentLink4URL=https://datasheet.ciiva.com/6813/874370443-sd-6813717.pdf?src-supplier=Digi-Key, ComponentLink5Description=https://datasheet.ciiva.com/6813/874370443-sd-6813721.pdf?src-supplier=Digi-Key, ComponentLink5URL=https://datasheet.ciiva.com/6813/874370443-sd-6813721.pdf?src-supplier=Digi-Key, Manufacturer 1=Molex, Manufacturer Part Number 1=0874370443, Part Description="Connector Header Surface Mount 4 position 0.059\" (1.50mm)", Pricing 1="1=0,72000, 10=0,61200, 100=0,47560 (USD)", RoHS=Yes, Stock 1=30818, Supplier 1=Digi-Key
L1: library part Inductor_0603, DC Current Rating=420, DC Resistance Max=0.58, High Frequency Inductor Case="0402 [1005 Metric]", Inductance=47, Inductance Tolerance="± 5%", Inductor Construction=Wirewound, Manufacturer=COILCRAFT, Manufacturer Part Number=0402HP-47NXJLU, Self Resonant Frequency Min=2.4, Supplier Part Number 1=2285856, Inductor Case Style="0402 [1005 Metric]", Manufacturer Part Number 1=0402HP-47NXJLU, Packaging="Cut Tape", Part Description="INDUCTOR, RF, 47NH, 5%, 2.4GHZ, SMD; Product Range:0402HP Series; Inductance:47nH; Inductance Tolerance:± 5%; High Frequency Inductor Case:0402 [1005 Metric]; Self Resonant Frequency Min:2.4GHz; DC Resistance Max:0.58ohm; DC Current Rating:420mA", Product Range=0402, RoHS=Y-EX, Supplier 1=Farnell, SVHC="No SVHC (15-Jun-2015)"
L2 L3: library part Inductor, Case/Package=0603, Current Rating=280mA, DC Resistance (DCR)=2.08R, Inductance=220nH, Manufacturer=Murata, Manufacturer Part Number 1=LQW18ANR22G80D, Max Operating Temperature=125°C, Min Operating Temperature=-55°C, Package Quantity=4000, Self Resonant Frequency=1.33GHz, Supplier Part Number 1=490-16902-1-ND, Test Frequency=100MHz, Tolerance=2%, ComponentLink1Description=http://productfinder.pulseeng.com/products/datasheets/WC701.pdf, ComponentLink1URL=http://productfinder.pulseeng.com/products/datasheets/WC701.pdf, ComponentLink2Description=https://datasheet.ciiva.com/11799/0900766b80a002db-11799279.pdf?src-supplier=RSComponents, ComponentLink2URL=https://datasheet.ciiva.com/11799/0900766b80a002db-11799279.pdf?src-supplier=RSComponents, ComponentLink3Description=https://datasheet.ciiva.com/14124/qhlqw18a-data-e-14124619.pdf?src-supplier=Distrelec, ComponentLink3URL=https://datasheet.ciiva.com/14124/qhlqw18a-data-e-14124619.pdf?src-supplier=Distrelec, ComponentLink4Description=https://datasheet.ciiva.com/6705/l0075s0080lqw18a-00-6705627.pdf?src-supplier=Digi-Key, ComponentLink4URL=https://datasheet.ciiva.com/6705/l0075s0080lqw18a-00-6705627.pdf?src-supplier=Digi-Key, ComponentLink5Description=https://datasheet.ciiva.com/6705/l0075s0080lqw18a-00-6705626.pdf?src-supplier=Digi-Key, ComponentLink5URL=https://datasheet.ciiva.com/6705/l0075s0080lqw18a-00-6705626.pdf?src-supplier=Digi-Key, ComponentLink6Description=https://datasheet.ciiva.com/6705/l0075s0080lqw18a-00-6705631.pdf?src-supplier=Digi-Key, ComponentLink6URL=https://datasheet.ciiva.com/6705/l0075s0080lqw18a-00-6705631.pdf?src-supplier=Digi-Key, ComponentLink7Description=https://datasheet.ciiva.com/4977/product-4977173.pdf?src-supplier=Mouser, ComponentLink7URL=https://datasheet.ciiva.com/4977/product-4977173.pdf?src-supplier=Mouser, ComponentLink8Description=https://datasheet.ciiva.com/46391/1487239-46391853.pdf?src-supplier=Element14, ComponentLink8URL=https://datasheet.ciiva.com/46391/1487239-46391853.pdf?src-supplier=Element14, ComponentLink9Description=https://datasheet.ciiva.com/8507/l0075s0080lqw18a-00-8507496.pdf?src-supplier=Avnet, ComponentLink9URL=https://datasheet.ciiva.com/8507/l0075s0080lqw18a-00-8507496.pdf?src-supplier=Avnet, ComponentLink10Description=https://datasheet.ciiva.com/29698/inductor-commercial-decoupling-mlz-en-29698909.pdf?src-supplier=Digikey, ComponentLink10URL=https://datasheet.ciiva.com/29698/inductor-commercial-decoupling-mlz-en-29698909.pdf?src-supplier=Digikey, ComponentLink11Description=https://datasheet.ciiva.com/29698/inductor-commercial-decoupling-mlz-en-29698910.pdf?src-supplier=Digikey, ComponentLink11URL=https://datasheet.ciiva.com/29698/inductor-commercial-decoupling-mlz-en-29698910.pdf?src-supplier=Digikey, ComponentLink12Description=https://datasheet.ciiva.com/29698/inductor-commercial-decoupling-mlz-en-29698911.pdf?src-supplier=Digikey, ComponentLink12URL=https://datasheet.ciiva.com/29698/inductor-commercial-decoupling-mlz-en-29698911.pdf?src-supplier=Digikey, ComponentLink13Description=https://datasheet.ciiva.com/29692/l0075e-29692111.pdf?src-supplier=Digikey, ComponentLink13URL=https://datasheet.ciiva.com/29692/l0075e-29692111.pdf?src-supplier=Digikey, Height - Seated (Max)=0.039inch, Length=0.065inch, Mount="Surface Mount", Packaging="Tape and Reel", Part Description="220 nH Unshielded Drum Core, Wirewound Inductor 280 mA 2.08Ohm Max 0603 (1608 Metric)", Pricing 1="1=0.14, 10=0.117, 100=0.0961, 1000=0.07905, 4000=0.07027, 8000=0.06626, 12000=0.06402, 20000=0.06131, 28000=0.05959, 40000=0.05782, 100000=0.05352 (USD)", Resistance=2.08R, RoHS=Yes, RoHS Compliant=Yes, Series=LQW18A_80, Shielding=Unshielded, Stock 1=2183, Supplier 1=Digikey, Width=0.035inch